# Altium PCB PCB3.PcbDoc (part 1 of 5) (continued)
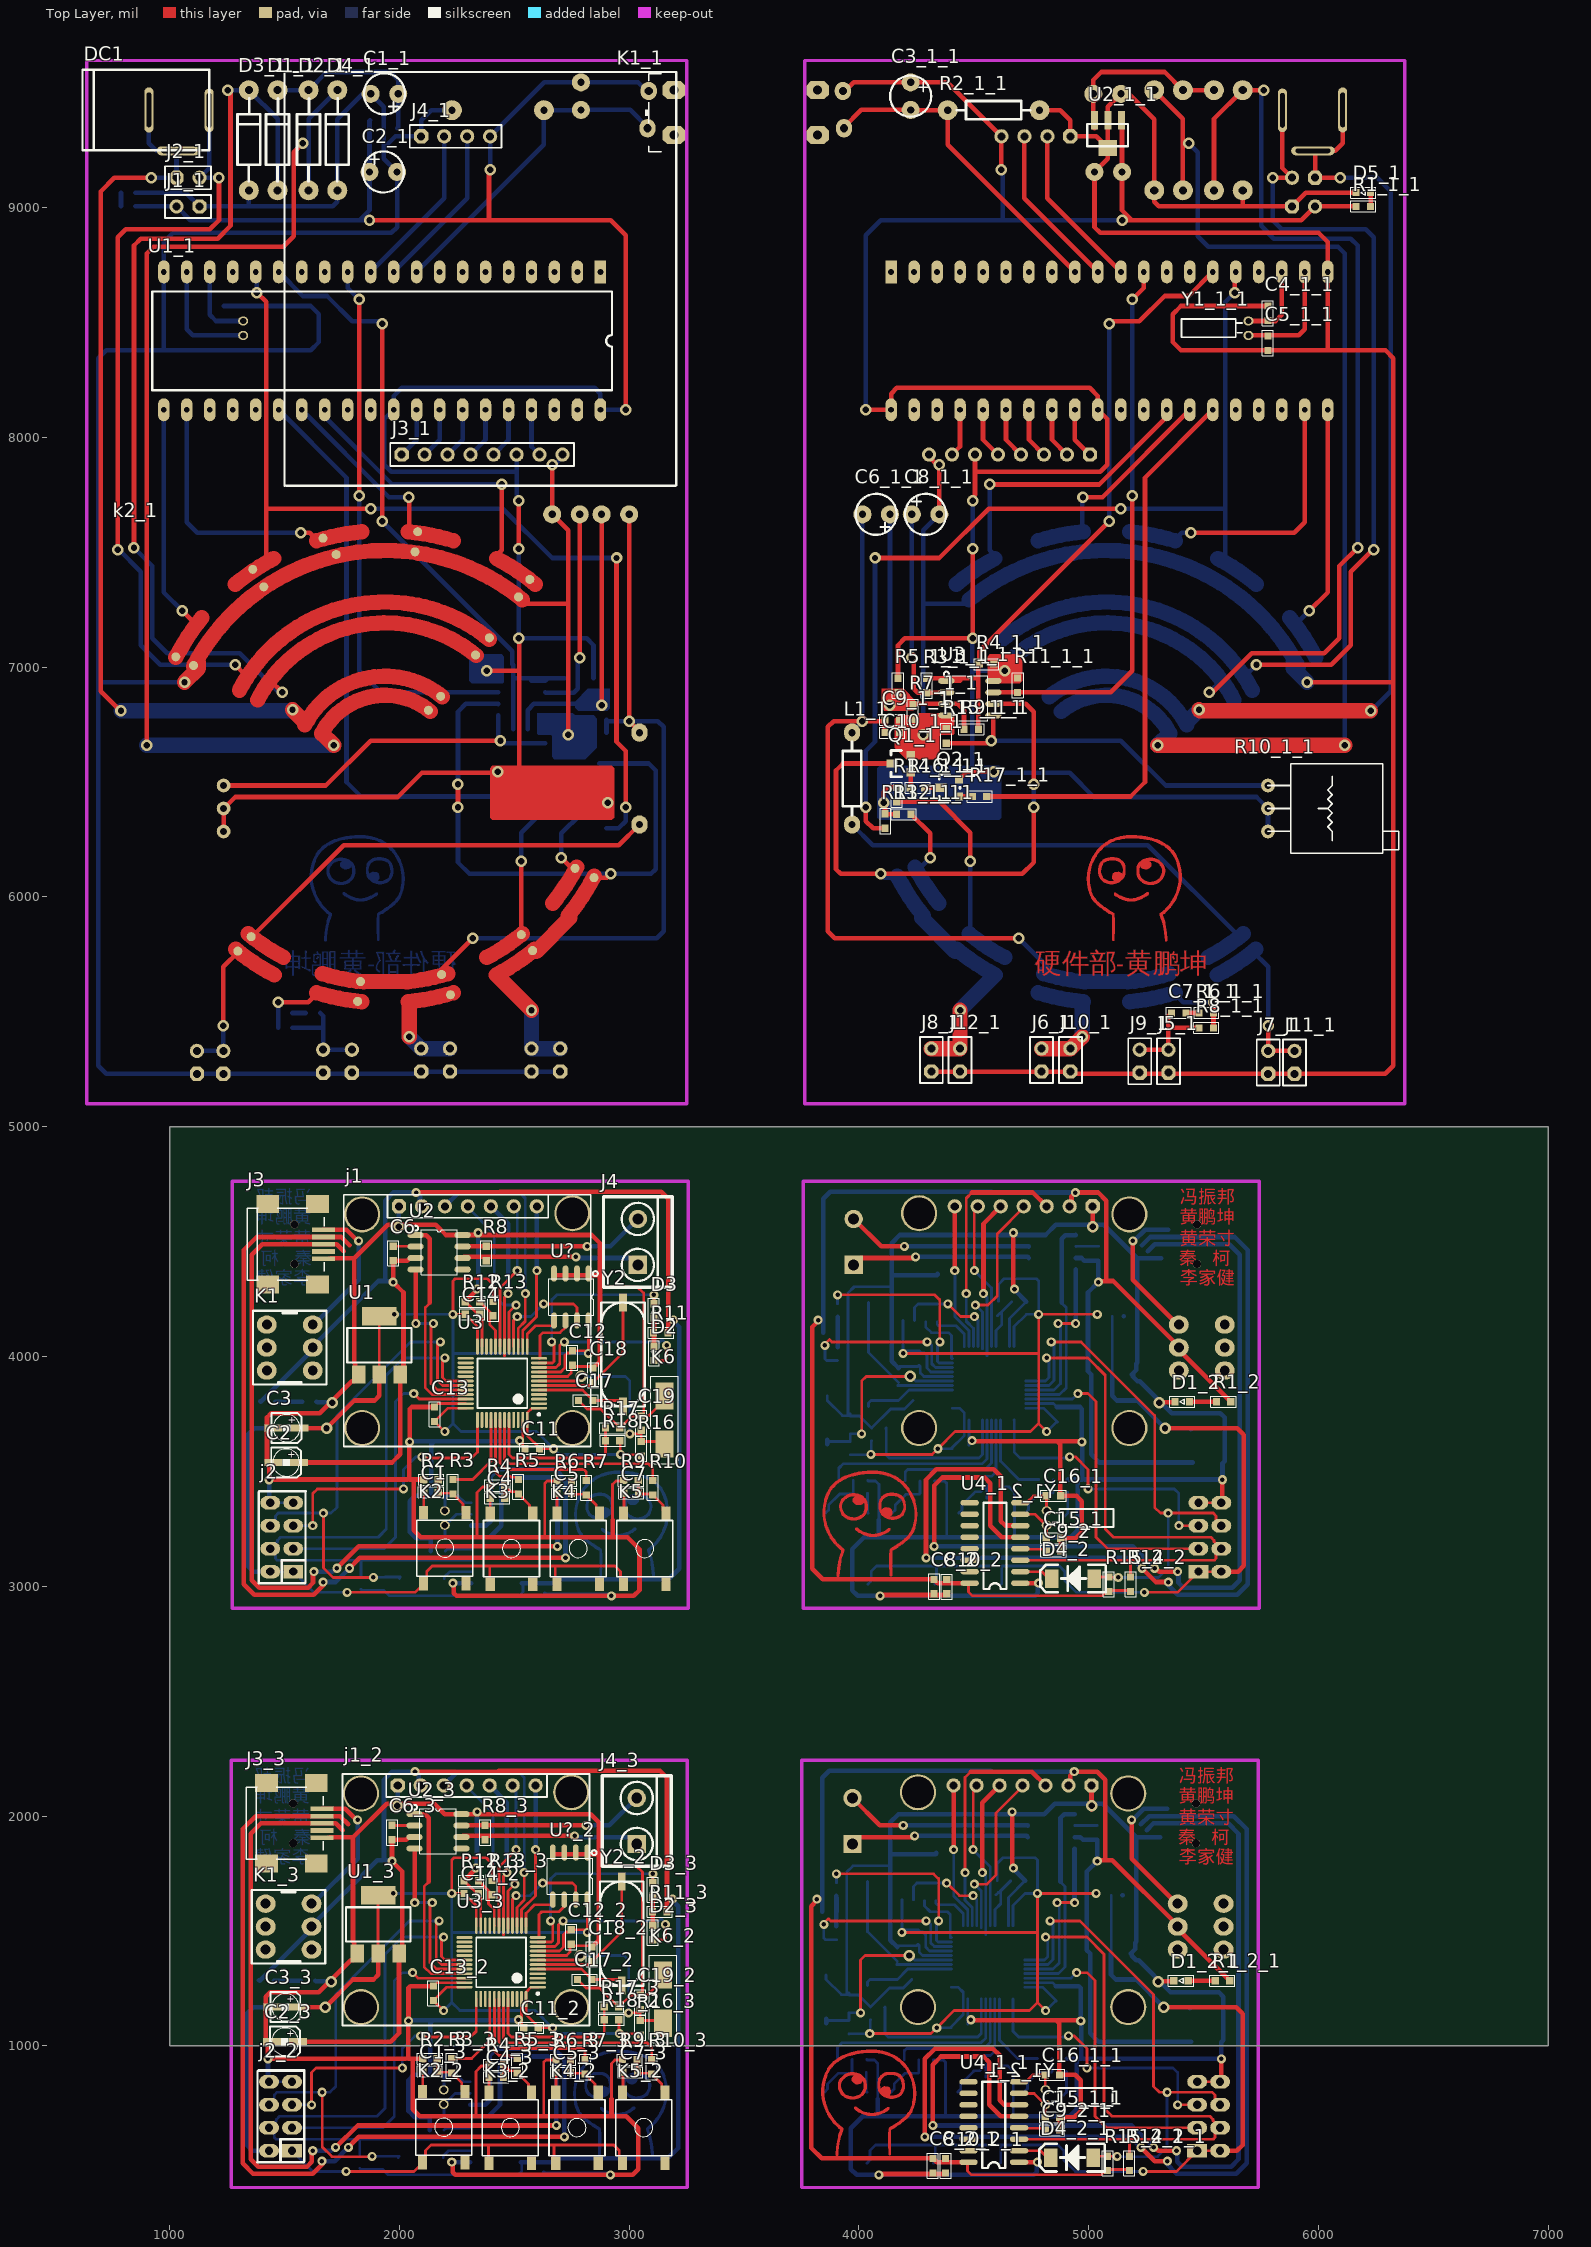
[diagram p0: Top Layer view]
## Components (designator, comment, footprint, x,y, rotation, side; value= is the part's Value field where it differs from the comment) (continued)
R4_2_1 "4.7k" R_0603 4583.42,918.5 r180 bottom (schematic designator R4)
R4_3 "4.7k" R_0603 2421.58,918.5 r0 top (schematic designator R4)
R5 "1k" R_0603 2518,3433.5 r270 top
R5_1 "100k" R_0603 2845,6920 r90 bottom (schematic designator R5)
R5_1_1 "100k" R_0603 4170,6920 r90 top (schematic designator R5)
R5_2 "1k" R_0603 4497,3433.5 r270 bottom (schematic designator R5)
R5_2_1 "1k" R_0603 4492,913.5 r270 bottom (schematic designator R5)
R5_3 "1k" R_0603 2513,913.5 r270 top (schematic designator R5)
R6 "4.7k" R_0603 2718,3458.5 r0 top
R6_1 "1k" R_0603 1503.5,5495 r180 bottom (schematic designator R6)
R6_1_1 "1k" R_0603 5511.5,5495 r0 top (schematic designator R6)
R6_2 "4.7k" R_0603 4297,3458.5 r180 bottom (schematic designator R6)
R6_2_1 "4.7k" R_0603 4292,938.5 r180 bottom (schematic designator R6)
R6_3 "4.7k" R_0603 2713,938.5 r0 top (schematic designator R6)
R7 "1k" R_0603 2813,3428.5 r270 top
R7_1 "100k" R_0603 2780,6805 r90 bottom (schematic designator R7)
R7_1_1 "100k" R_0603 4235,6805 r90 top (schematic designator R7)
R7_2 "1k" R_0603 4202,3428.5 r270 bottom (schematic designator R7)
R7_2_1 "1k" R_0603 4197,908.5 r270 bottom (schematic designator R7)
R7_3 "1k" R_0603 2808,908.5 r270 top (schematic designator R7)
R8 "120R" R_0603 2378,4448.5 r90 top
R8_1 "1K" R_0603 1503.5,5430 r180 bottom (schematic designator R8)
R8_1_1 "1K" R_0603 5511.5,5430 r0 top (schematic designator R8)
R8_2 "120R" R_0603 4637,4448.5 r90 bottom (schematic designator R8)
R8_2_1 "120R" R_0603 4632,1928.5 r90 bottom (schematic designator R8)
R8_3 "120R" R_0603 2373,1928.5 r90 top (schematic designator R8)
R9 "4.7k" R_0603 3008,3460 r0 top
R9_1 "100k" R_0603 2526.5,6730 r0 bottom (schematic designator R9)
R9_1_1 "100k" R_0603 4488.5,6730 r180 top (schematic designator R9)
R9_2 "4.7k" R_0603 4007,3460 r180 bottom (schematic designator R9)
R9_2_1 "4.7k" R_0603 4002,940 r180 bottom (schematic designator R9)
R9_3 "4.7k" R_0603 3003,940 r0 top (schematic designator R9)
R10 "1k" R_0603 3103,3428.5 r270 top
R10_1 "502" RES_V3 1235,6385 r90 bottom (schematic designator R10)
R10_1_1 "502" RES_V3 5780,6385 r90 top (schematic designator R10)
R10_2 "1k" R_0603 3912,3428.5 r270 bottom (schematic designator R10)
R10_2_1 "1k" R_0603 3907,908.5 r270 bottom (schematic designator R10)
R10_3 "1k" R_0603 3098,908.5 r270 top (schematic designator R10)
R11 "1K" R_0603 3138,4103.5 r0 top
R11_1 "10K" R_0603 2325,6921.5 r270 bottom (schematic designator R11)
R11_1_1 "10K" R_0603 4690,6921.5 r270 top (schematic designator R11)
R11_2 "1K" R_0603 3877,4103.5 r180 bottom (schematic designator R11)
R11_2_1 "1K" R_0603 3872,1583.5 r180 bottom (schematic designator R11)
R11_3 "1K" R_0603 3133,1583.5 r0 top (schematic designator R11)
R12 "10K" R_0603 2318,4238.5 r0 top
R12_1 "2k" R_0603 2820,6360 r180 bottom (schematic designator R12)
R12_1_1 "2k" R_0603 4195,6360 r0 top (schematic designator R12)
R12_2 "10K" R_0603 4697,4238.5 r180 bottom (schematic designator R12)
R12_2_1 "10K" R_0603 4692,1718.5 r180 bottom (schematic designator R12)
R12_3 "10K" R_0603 2313,1718.5 r0 top (schematic designator R12)
R13 "10K" R_0603 2408,4208.5 r90 top
R13_1 "10k" R_0603 2901.5,6330 r90 bottom (schematic designator R13)
R13_1_1 "10k" R_0603 4113.5,6330 r90 top (schematic designator R13)
R13_2 "10K" R_0603 4607,4208.5 r90 bottom (schematic designator R13)
R13_2_1 "10K" R_0603 4602,1688.5 r90 bottom (schematic designator R13)
R13_3 "10K" R_0603 2403,1688.5 r90 top (schematic designator R13)
R14 "10k" R_0603 1833,3008.5 r90 bottom
R14_1 "100" R_0603 2850,6445 r270 bottom (schematic designator R14)
R14_1_1 "100" R_0603 4165,6445 r270 top (schematic designator R14)
R14_2 "10k" R_0603 5182,3008.5 r90 top (schematic designator R14)
R14_2_1 "10k" R_0603 5177,488.5 r90 top (schematic designator R14)
R14_3 "10k" R_0603 1828,488.5 r90 bottom (schematic designator R14)
R15 "10k" R_0603 1928,3008.5 r90 bottom
R15_1 "5.6K" R_0603 2634.72,6700 r90 bottom (schematic designator R15)
R15_1_1 "5.6K" R_0603 4380.28,6700 r90 top (schematic designator R15)
R15_2 "10k" R_0603 5087,3008.5 r90 top (schematic designator R15)
R15_2_1 "10k" R_0603 5082,488.5 r90 top (schematic designator R15)
R15_3 "10k" R_0603 1923,488.5 r90 bottom (schematic designator R15)
R16 "10K" R_0603 3053,3598.5 r270 top
R16_1 "1K" R_0603 2760,6475 r180 bottom (schematic designator R16)
R16_1_1 "1K" R_0603 4255,6475 r0 top (schematic designator R16)
R16_2 "10K" R_0603 3962,3598.5 r270 bottom (schematic designator R16)
R16_2_1 "10K" R_0603 3957,1078.5 r270 bottom (schematic designator R16)
R16_3 "10K" R_0603 3048,1078.5 r270 top (schematic designator R16)
R17 "10K" R_0603 2928,3688.5 r180 top
R17_1 "1K" R_0603 2490,6437 r180 bottom (schematic designator R17)
R17_1_1 "1K" R_0603 4525,6437 r0 top (schematic designator R17)
R17_2 "10K" R_0603 4087,3688.5 r0 bottom (schematic designator R17)
R17_2_1 "10K" R_0603 4082,1168.5 r0 bottom (schematic designator R17)
R17_3 "10K" R_0603 2923,1168.5 r180 top (schematic designator R17)
R18 "10K" R_0603 2928,3633.5 r0 top
R18_1 "10K" R_0603 4087,3633.5 r180 bottom (schematic designator R18)
R18_1_1 "10K" R_0603 4082,1113.5 r180 bottom (schematic designator R18)
R18_2 "10K" R_0603 2923,1113.5 r0 top (schematic designator R18)
U1 "AMS1117" SOT-223 1913,4048.5 r0 top
U1_1 "STC89C52" DIP40 1925,8420 r270 top locked (schematic designator U1)
U1_1_1 "STC89C52" DIP40 5090,8420 r270 bottom locked (schematic designator U1)
U1_2 "AMS1117" SOT-223 5102,4048.5 r180 bottom (schematic designator U1)
U1_2_1 "AMS1117" SOT-223 5097,1528.5 r180 bottom (schematic designator U1)
U1_3 "AMS1117" SOT-223 1908,1528.5 r0 top (schematic designator U1)
U2 "TJA1050" SOP8 2173,4453.5 r0 top
U2_1 "78L05" SOT-89-3 1874,9357 r0 bottom (schematic designator U2)
U2_1_1 "78L05" SOT-89-3 5141,9357 r180 top (schematic designator U2)
U2_2 "TJA1050" SOP8 4842,4453.5 r180 bottom (schematic designator U2)
U2_2_1 "TJA1050" SOP8 4837,1933.5 r180 bottom (schematic designator U2)
U2_3 "TJA1050" SOP8 2168,1933.5 r0 top (schematic designator U2)
U3 "STM32F102CBT6" STM-LQFP48_N 2448,3883.5 r180 top locked
U3_1 "LM393" SOP8 2532.36,6865 r180 bottom (schematic designator U3)
U3_1_1 "LM393" SOP8 4482.64,6865 r0 top (schematic designator U3)
U3_2 "STM32F102CBT6" STM-LQFP48_N 4567,3883.5 r0 bottom locked (schematic designator U3)
U3_2_1 "STM32F102CBT6" STM-LQFP48_N 4562,1363.5 r0 bottom locked (schematic designator U3)
U3_3 "STM32F102CBT6" STM-LQFP48_N 2443,1363.5 r180 top locked (schematic designator U3)
U4 "CH340G" SOP16 2423,3188.5 r0 bottom
U4_1 "CH340G" SOP16 4592,3188.5 r180 top (schematic designator U4)
U4_1_1 "CH340G" SOP16 4587,668.5 r180 top (schematic designator U4)
U4_2 "CH340G" SOP16 2418,668.5 r0 bottom (schematic designator U4)
U? "AT24C02" SOP8 2748,4258.5 r270 top
U?_1 "AT24C02" SOP8 4267,4258.5 r270 bottom (schematic designator U?)
U?_1_1 "AT24C02" SOP8 4262,1738.5 r270 bottom (schematic designator U?)
U?_2 "AT24C02" SOP8 2743,1738.5 r270 top (schematic designator U?)
Y1 "XTAL_32.768KHZ" CRYS-3X8#1 2198,3297.01 r0 bottom value=12MHz
Y1_1 "XTAL_32.768KHZ" CRYS-3X8#2 1320,8475 r180 bottom value=12MHz (schematic designator Y1)
Y1_1_1 "XTAL_32.768KHZ" CRYS-3X8#2 5695,8475 r0 top value=12MHz (schematic designator Y1)
Y1_2 "XTAL_32.768KHZ" CRYS-3X8#1 4817,3297.01 r180 top value=12MHz (schematic designator Y1)
Y1_2_1 "XTAL_32.768KHZ" CRYS-3X8#1 4812,777.01 r180 top value=12MHz (schematic designator Y1)
Y1_3 "XTAL_32.768KHZ" CRYS-3X8#1 2193,777.01 r0 bottom value=12MHz (schematic designator Y1)
Y2 "XTAL_49US" XTAL_SMD 2973,4008.5 r270 top value=8MHz
Y2_1 "XTAL_49US" XTAL_SMD 4042,4008.5 r270 bottom value=8MHz (schematic designator Y2)
Y2_1_1 "XTAL_49US" XTAL_SMD 4037,1488.5 r270 bottom value=8MHz (schematic designator Y2)
Y2_2 "XTAL_49US" XTAL_SMD 2968,1488.5 r270 top value=8MHz (schematic designator Y2)

## Footprints (in the part's own frame and the unit in brackets; to place one, negate y for a bottom-side part, rotate by r counter-clockwise, add the part's x,y. Pads: shape width x height; smd on the part's side, far side on the other; paste and mask are expansions set on the pad)
AXIAL0.4#1 [mil]
  oval 80x70 hole 32: 1(-200,0) 2(200,0)
  silkscreen extent -160,-40 160,40
AXIAL0.4#2 [mil]
  round 86.61 hole 31.5: 1(-219,-6) 2(181,-6)
  silkscreen extent -179,-46 141,34, body extent -229,-58 195,41, height 118
C_0603 [mm]
  rect 0.8x0.8 smd: 1(-0.8,0) 2(0.8,0)
  silkscreen extent -1.38,-0.61 1.4,0.61, body extent -0.79,-0.38 0.81,0.42, height 0.5
CAP_1 [mm]
  round 2 hole 0.8: 1(-1.524,0) 2(1.524,0)
  silkscreen extent -2.27,-2.27 2.27,2.27, body extent -2.02,-1.95 1.98,2.05, height 7.31
COM2-2.54 [mil]
  oct 62x62 hole 35: 1(-50,0)
  round 62 hole 35: 2(50,0)
  silkscreen extent -100,-50 100,50, body extent -100,-50 100,50, height 336
COM4-2.54 [mil]
  oct 62x62 hole 35: 1(-150,0)
  round 62 hole 35: 2(-50,0) 3(50,0) 4(150,0)
  silkscreen extent -200,-50 200,50, body extent -200,-50 200,50, height 398
COM4X2-2.54 [mm]
  rect 1.5x2.2 hole 0.9: 1(-3.81,-1.27)
  oval 1.5x2.2 hole 0.9: 2(-3.81,1.27) 3(-1.27,-1.27) 4(-1.27,1.27) 5(1.27,-1.27) 6(1.27,1.27) 7(3.81,-1.27) 8(3.81,1.27)
  silkscreen extent -5.08,-2.63 5.07,2.54, body extent -5.13,-2.54 5.03,2.54, height 10.1
COM8-2.54 [mil]
  oct 62x62 hole 35: 1(-350,0)
  round 62 hole 35: 2(-250,0) 3(-150,0) 4(-50,0) 5(50,0) 6(150,0) 7(250,0) 8(350,0)
  silkscreen extent -400,-50 400,50, body extent -400,-50 400,50, height 398
CON_2PIN [mil]
  rect 80x80 hole 47.24: 1(100,0)
  round 80 hole 47.24: 2(-100,0)
  silkscreen extent -197,-150 197,150, body extent -190,-171 203,144, height 433
CRYS-3X8#1 [mm]
  oval 1.1x1 hole 0.7: 1(0,0.8) 2(0,-0.8)
  silkscreen extent -7.4,-1 -0.7,1, body extent -7.64,-1.44 1.24,1.41, height 1.47
CRYS-3X8#2 [mm]
  oval 1.1x1 hole 0.7: 1(0,-0.8) 2(0,0.8)
  silkscreen extent -7.4,-1 -0.7,1, body extent -7.64,-1.41 1.24,1.44, height 1
DC-005 [mm]
  oval 1x4.826 hole 0.5 slot 3.81 at 90 deg: 1(3.33,2.215)
  oval 1x4.978 hole 0.5 slot 3.81 at 90 deg: 2(-3.33,2.261)
  oval 4.826x1 hole 0.5 slot 3.81 at 0 deg: 3(-0.053,-2.261)
  silkscreen extent -10.67,-2.18 3.33,6.72, body extent -9.5,-2.06 3.6,6.94, height 10.75
DIP40 [mil]
  rect 100x50 hole 25: 1(-300,950)
  oval 100x50 hole 25: 2(-300,850) 3(-300,750) 4(-300,650) 5(-300,550) 6(-300,450) 7(-300,350) 8(-300,250) 9(-300,150) 10(-300,50) 11(-300,-50) 12(-300,-150) 13(-300,-250) 14(-300,-350) 15(-300,-450) 16(-300,-550) 17(-300,-650) 18(-300,-750) 19(-300,-850) 20(-300,-950) 21(300,-950) 22(300,-850) 23(300,-750) 24(300,-650) 25(300,-550) 26(300,-450) 27(300,-350) 28(300,-250) 29(300,-150) 30(300,-50) 31(300,50) 32(300,150) 33(300,250) 34(300,350) 35(300,450) 36(300,550) 37(300,650) 38(300,750) 39(300,850) 40(300,950)
  silkscreen extent -215,-1000 215,1000, body extent -302,-1029 308,1036, height 224
DO-1N4007 [mm]
  round 2.2 hole 0.9: 1(-6.35,0) 2(4.724,0)
  silkscreen extent -5.33,-1.27 3.81,1.27, body extent -6.35,-1.3 4.72,1.3, height 0.25
DO-214-A [mil]
  rect 60x80 smd: 1(-92.5,0) 2(92.5,0)
  silkscreen extent -143,-60 142,60, body extent -111,-52 105,58, height 90
LED_0603 [mm]
  rect 0.8x0.8 smd: 1(-0.8,0) 2(0.8,0)
  silkscreen extent -1.38,-0.6 1.39,0.61, body extent -0.8,-0.4 0.82,0.4, height 0.6
OLED_7 [mil]
  round 157.48 hole 137.8: 0(-380,-915) 0(-380,15) 0(535,-915) 0(535,20)
  oct 62x62 hole 35: 1(-220,50)
  round 62 hole 35: 2(-120,50) 3(-20,50) 4(80,50) 5(180,50) 6(280,50) 7(380,50)
  silkscreen extent -460,-995 615,100, body extent -265,0 435,100, height 118
R_0603 [mm]
  rect 0.8x0.8 smd: 1(-0.8,0) 2(0.8,0)
  silkscreen extent -1.38,-0.61 1.4,0.61, body extent -0.81,-0.42 0.83,0.43, height 0.46
RES_V3 [mil]
  round 60 hole 30: 4(-100,0) 5(0,0) 6(100,0)
  silkscreen extent -195,-570 195,0, body extent -187,-554 188,156, height 95
SMD-EC-F3 [mm]
  rect 2x0.8 smd: 1(0,0) 2(2.835,0)
  silkscreen extent -0.23,-1.65 3.07,1.65
SOP8 [mm]
  oval 1.8x0.635 smd: 1(-2.6,1.905) 2(-2.6,0.635) 3(-2.6,-0.635) 4(-2.6,-1.905) 5(2.6,-1.905) 6(2.6,-0.635) 7(2.6,0.635) 8(2.6,1.905)
  silkscreen extent -2.86,-2.5 2,2.94, body extent -3.07,-2.54 3.13,2.46, height 1.74
SOP16 [mil]
  oval 80x24 smd: 1(-110,175) 2(-110,125) 3(-110,75) 4(-110,25) 5(-110,-25) 6(-110,-75) 7(-110,-125) 8(-110,-175) 9(110,-175) 10(110,-125) 11(110,-75) 12(110,-25) 13(110,25) 14(110,75) 15(110,125) 16(110,175)
  silkscreen extent -50,-175 50,200, body extent -153,-200 159,202, height 71
SOT-23 [mil]
  rect 36x36 smd: 1(-37.5,-40) 2(37.5,-40)
  rect 36x50 smd: 3(0.5,40)
  silkscreen extent -58,-45 57,45, body extent -58,-50 61,48, height 42
SOT-89-3 [mil]
  rect 29.53x78.74 smd: 1(-2,-23) 2(57,-23) 3(116,-23)
  rect 80.71x70.87 smd: 2(58,98)
  silkscreen extent -30,-7 147,90, body extent -36,-39 153,124, height 10
SOT-223 [mil]
  rect 59x79 smd: 1(-90.55,-126.77) 2(0,-126.77) 3(90.55,-126.77)
  rect 150x79 smd: 2(-0.67,126.77)
  silkscreen extent -140,-75 140,75, body extent -126,-153 130,123, height 65
STM-LQFP48_N [mm] "QFP, 48-Leads, Body 7x7mm, Pitch 0.5mm, IPC Medium Density"
  oval 1.8x0.3 smd: 1(-4.05,2.75) 2(-4.05,2.25) 3(-4.05,1.75) 4(-4.05,1.25) 5(-4.05,0.75) 6(-4.05,0.25) 7(-4.05,-0.25) 8(-4.05,-0.75) 9(-4.05,-1.25) 10(-4.05,-1.75) 11(-4.05,-2.25) 12(-4.05,-2.75) 25(4.05,-2.75) 26(4.05,-2.25) 27(4.05,-1.75) 28(4.05,-1.25) 29(4.05,-0.75) 30(4.05,-0.25) 31(4.05,0.25) 32(4.05,0.75) 33(4.05,1.25) 34(4.05,1.75) 35(4.05,2.25) 36(4.05,2.75)
  oval 0.3x1.8 smd: 13(-2.75,-4.05) 14(-2.25,-4.05) 15(-1.75,-4.05) 16(-1.25,-4.05) 17(-0.75,-4.05) 18(-0.25,-4.05) 19(0.25,-4.05) 20(0.75,-4.05) 21(1.25,-4.05) 22(1.75,-4.05) 23(2.25,-4.05) 24(2.75,-4.05) 37(2.75,4.05) 38(2.25,4.05) 39(1.75,4.05) 40(1.25,4.05) 41(0.75,4.05) 42(0.25,4.05) 43(-0.25,4.05) 44(-0.75,4.05) 45(-1.25,4.05) 46(-1.75,4.05) 47(-2.25,4.05) 48(-2.75,4.05)
  silkscreen extent -4.18,-2.75 2.75,3.57, body extent -3.5,-3.5 3.5,3.5, height 1.6
SW6.2/6.2-SMD [mm]
  rect 1.5x1 smd: 1(-3.924,2.35) 1(3.924,2.35) 2(-3.924,-2.35) 2(3.924,-2.35)
  silkscreen extent -3.11,-3.1 3.09,3.1
SW-6 [mm]
  oval 2.2x2 hole 1.1: 1(-2.54,2.54) 2(-2.54,0) 3(-2.54,-2.54) 4(2.54,2.54) 5(2.54,0) 6(2.54,-2.54)
  silkscreen extent -4.06,-4.06 4.06,4.06, body extent -3.38,-3.41 3.62,3.59, height 13
SW-PB2 [mm]
  oct 2x2.5 hole 1: 0(-2.413,-1.524) 0(2.565,-1.524)
  oval 2.032x1.8 hole 0.9: 1(2.477,1.27) 2(-1.651,1.397)
  silkscreen extent -4.25,-0.13 4.38,1.65, body extent -4.03,-2.91 4.33,5.06, height 7.37
SW-PB4 [mm]
  rect 3x2 smd: 1(-2.667,0) 2(2.667,0)
  silkscreen extent -4.83,-1.52 4.83,1.52, body extent -4.94,-1.73 5.46,1.77, height 5
USB-MINI [mm]
  rect 0.508x2.54 smd: 1(1.6,-3.075) 2(0.8,-3.075) 3(0,-3.075) 4(-0.8,-3.075) 5(-1.6,-3.075)
  rect 2.032x2.5 smd: 6(-4.45,-2.425) 7(-4.45,3.075) 8(4.45,3.075) 9(4.45,-2.425)
  round 0.9 hole 0.9 unplated: 10(2.2,0.125) 11(-2.2,0.125)
  silkscreen extent -4,-3.17 4,5.33, body extent -5.38,-3.61 5.32,5.59, height 3.95
XTAL_SMD [mm]
  rect 2x0.85 smd: 1(-5.75,0) 2(5.75,0)
  silkscreen extent -5.75,-2.4 5.75,2.4, body extent -6.97,-2.56 6.93,2.44, height 4.5
xzkey [mm]
  round 1.524 hole 2.4: 0(-32.901,-10.944) 0(-32.881,31.029) 0(25.4,-10.922) 0(25.421,31.052)
  round 1.524 hole 0.762: 0(-32.881,31.029)
  round 1.524 hole 4.22: 0(-3.81,10.033)
  round 1 smd: 1(-26.873,22.22) 2(-24.912,21.266) 3(19.356,-2.193) 4(17.258,-1.156) 5(-18.368,31.891) 6(-17.149,29.957) 7(12.568,-10.254) 8(11.318,-8.487) 9(-10.605,35.335) 10(-9.148,33.534) 11(3.493,-15.133) 12(2.504,-12.894) 13(-0.139,36.051) 14(-0.43,33.825) 15(-6.775,-15.866) 16(-6.459,-13.678) 17(12.261,30.778) 18(11.016,28.844) 19(-20.012,-10.309) 20(-18.545,-8.708) 21(7.79,24.328) 22(6.263,22.42) 23(2.408,17.859) 24(1.053,16.313)
  Top Layer lines w1.7: -26.871,22.173 cw(c-3.746,10.071) -23.994,26.541 ; -24.922,21.153 cw(c-3.746,10.071) 11.415,28.546 ; -20.304,30.247 cw(c-3.746,10.071) -16.938,32.592 cw(c-3.746,10.071) -16.05,33.089 ; -20.253,-10.104 ccw(c-3.696,10.071) -15.999,-12.947 ; -19.836,18.542 cw(c-3.746,10.122) 7.774,24.16 ; -18.858,-8.404 ccw(c-3.696,10.071) -14.962,-11.007 ; -17.834,17.444 cw(c-3.746,10.071) -16.405,19.692 cw(c-3.746,10.071) 6.34,22.362 ; -12.607,14.708 cw(c-3.746,10.071) 2.597,17.801 ; -11.323,-14.905 ccw(c-3.746,10.071) -6.305,-15.903 ; -11.323,35.047 cw(c-3.746,10.071) -6.305,36.045 ; -10.746,13.734 cw(c-3.746,10.071) -10.728,13.769 cw(c-3.746,10.071) 1.265,16.178 ; -10.684,-12.8 ccw(c-3.746,10.071) -6.089,-13.714 ; -1.404,-13.714 ccw(c-3.746,10.071) -1.264,-13.7 ccw(c-3.746,10.071) 3.191,-12.8 ; -1.188,-15.903 ccw(c-3.746,10.071) 3.83,-14.905 ; -1.188,36.045 cw(c-3.746,10.071) 3.83,35.047 ; 7.52,-11.007 ccw(c-3.746,10.071) 11.318,-8.483 ccw(c-3.746,10.071) 11.415,-8.404 ; 8.557,-12.947 ccw(c-3.746,10.071) 12.627,-10.254 ccw(c-3.746,10.071) 12.723,-10.177 ccw(c-3.746,10.071) 12.811,-10.104 ; 8.608,33.089 cw(c-3.696,10.071) 12.862,30.247 ; 14.794,-5.01 ccw(c-3.746,10.071) 17.429,-1.011 ; 16.501,-6.398 ccw(c-3.746,10.071) 19.378,-2.031

## Part data
C1 C1_2 C1_2_1 C1_3 C4 C4_1 C4_1_1 C4_2 C4_2_1 C4_3 C5 C5_1 C5_1_1 C5_2 C5_2_1 C5_3 C6 C6_2 C6_2_1 C6_3 C7 C7_1 C7_1_1 C7_2 C7_2_1 C7_3 C8 C8_2 C8_2_1 C8_3 C9 C9_1 C9_1_1 C9_2 C9_2_1 C9_3 C10 C10_1 C10_1_1 C10_2 C10_2_1 C10_3 C11 C11_1 C11_1_1 C11_2 C12 C12_1 C12_1_1 C12_2 C13 C13_1 C13_1_1 C13_2 C14 C14_1 C14_1_1 C14_2 C15 C15_1 C15_1_1 C15_2 C16 C16_1 C16_1_1 C16_2 C17 C17_1 C17_1_1 C17_2 C18 C18_1 C18_1_1 C18_2 C19 C19_1 C19_1_1 C19_2: library part CAP
C1_1 C1_1_1 C2 C2_1 C2_1_1 C2_2 C2_2_1 C2_3 C3 C3_1 C3_1_1 C3_2 C3_2_1 C3_3 C6_1 C6_1_1 C8_1 C8_1_1: library part CAP+
D4 D4_2 D4_2_1 D4_3: "SMAJ5.0CA-E3/61 400W 5V", Manufacture 1 P/N=SMAJ5.0CA, PCB DECAL=DO-214
DC1 DC1_1: library part DC-005, PCB DECAL=DC-005
j1 j1_1 j1_1_1 j1_2: library part COM7-2.54
J1_1 J1_1_1 J2_1 J2_1_1 J5 J5_1 J6 J6_1 J7 J7_1 J8 J8_1 J9 J9_1 J10 J10_1 J11 J11_1 J12 J12_1: library part COM2-2.54
J3_1 J3_1_1: library part COM8-2.54
L1 L1_1: library part L
Q1 Q1_1: "NPN", Manufacturer #2=8050, PCB DECAL=SOT-23
Q2 Q2_1: "PNP"
R1 R1_1 R1_1_1 R1_2 R1_2_1 R1_3 R2 R2_1 R2_1_1 R2_2 R2_2_1 R2_3 R3 R3_1 R3_1_1 R3_2 R3_2_1 R3_3 R4 R4_1 R4_1_1 R4_2 R4_2_1 R4_3 R5 R5_1 R5_1_1 R5_2 R5_2_1 R5_3 R6 R6_1 R6_1_1 R6_2 R6_2_1 R6_3 R7 R7_1 R7_1_1 R7_2 R7_2_1 R7_3 R8 R8_1 R8_1_1 R8_2 R8_2_1 R8_3 R9 R9_1 R9_1_1 R9_2 R9_2_1 R9_3 R10 R10_2 R10_2_1 R10_3 R11 R11_1 R11_1_1 R11_2 R11_2_1 R11_3 R12 R12_1 R12_1_1 R12_2 R12_2_1 R12_3 R13 R13_1 R13_1_1 R13_2 R13_2_1 R13_3 R14 R14_1 R14_1_1 R14_2 R14_2_1 R14_3 R15 R15_1 R15_1_1 R15_2 R15_2_1 R15_3 R16 R16_1 R16_1_1 R16_2 R16_2_1 R16_3 R17 R17_1 R17_1_1 R17_2 R17_2_1 R17_3 R18 R18_1 R18_1_1 R18_2: library part RES
R10_1 R10_1_1: library part RES_V
U2_1 U2_1_1: library part LM78LXX
U3 U3_2 U3_2_1 U3_3: "ARM Cortex-M3 32-bit MCU, 128 KB Flash, 16 KB Internal RAM, 37 I/Os, 48-pin LQFP, -40 to 85 degC, Tray", I/Os (High Current)=37, Operating Frequency(F) (Processor speed) (MHz)=48, Supplier Part Number 1=497-8308-ND, Supply Voltage(Vcc) min (V)=2, A/D Converter="1x12-bit (10 Channel)", ComponentLink1Description="Manufacturer URL", ComponentLink1URL=http://www.st.com/web/en/home.html, ComponentLink2Description=Datasheet, ComponentLink2URL=http://www.st.com/st-web-ui/static/active/en/resource/technical/document/datasheet/CD00210831.pdf, ComponentLink3Description="Package Specification", ComponentLink3URL=http://www.st.com/st-web-ui/static/active/en/resource/technical/document/datasheet/DM00058181.pdf, Core="ARM Cortex-M3", DatasheetVersion="Rev. 5", FLASH Size (Prog) (kB)=128, Internal RAM Size (kB)=16, Mounting Technology="Surface Mount", PackageDescription="48-Pin Low Profile Quad Flat Package, 7 x 7 mm Body, 0.5 mm Pitch", PackageReference=LQFP48, PackageVersion="Rev. 6, 06/2013", Packing=Tray, PartNumber=STM32F102CBT6, Supplier 1=Digi-Key, Supplier 2=Farnell, Supplier 3=Newark, Supplier 4=Newark, Supplier 5=Mouser, Supplier Part Number 2=2333154, Supplier Part Number 3=99W9776, Supplier Part Number 4=25R9430, Supplier Part Number 5=511-STM32F102CBT6
U3_1 U3_1_1: library part LM358
D1 D1_2 D1_2_1 D1_3 D2 D2_2 D2_2_1 D2_3 D3 D3_2 D3_2_1 D3_3 D5 D5_1: PCB DECAL=LED_0603
J3 J3_2 J3_2_1 J3_3: PCB DECAL=USB-MINI
J4 J4_2 J4_2_1 J4_3: PCB DECAL=CON_2PIN
U2 U2_2 U2_2_1 U2_3 U? U?_1 U?_1_1 U?_2: PCB DECAL=SOP8
U4 U4_1 U4_1_1 U4_2: PCB DECAL=SOP16
Y1 Y1_1 Y1_1_1 Y1_2 Y1_2_1 Y1_3: PCB DECAL=CRYS-3X8
Y2 Y2_1 Y2_1_1 Y2_2: PCB DECAL=XTAL_SMD

## Via types
v1: diameter 39.37, hole 19.68, Top Layer to Bottom Layer, 192 vias
v2: diameter 50, hole 28, Top Layer to Bottom Layer, 116 vias

## Nets (pads, with @x,y where several pads share a name; then routed paths per layer and width w, separated by ;. In a path a pad name is that pad's centre, name@x,y a point inside that pad or via, vN(x,y) a via of type N, cw(c..) or ccw(c..) an arc to the next point about the centre after c; other vN are vias at no path point)
pads on no net: C1.1 C1.2 C1_1.1 C1_1.2 C1_1_1.1 C1_1_1.2 C1_2.1 C1_2.2 C1_2_1.1 C1_2_1.2 C1_3.1 C1_3.2 C2.1 C2.2 C2_1.1 C2_1.2 C2_1_1.1 C2_1_1.2 C2_2.1 C2_2.2 C2_2_1.1 C2_2_1.2 C2_3.1 C2_3.2 C3.1 C3.2 C3_1.1 C3_1.2 C3_1_1.1 C3_1_1.2 C3_2.1 C3_2.2 C3_2_1.1 C3_2_1.2 C3_3.1 C3_3.2 C4.1 C4.2 C4_1.1 C4_1.2 C4_1_1.1 C4_1_1.2 C4_2.1 C4_2.2 C4_2_1.1 C4_2_1.2 C4_3.1 C4_3.2 C5.1 C5.2 C5_1.1 C5_1.2 C5_1_1.1 C5_1_1.2 C5_2.1 C5_2.2 C5_2_1.1 C5_2_1.2 C5_3.1 C5_3.2 C6.1 C6.2 C6_1.1 C6_1.2 C6_1_1.1 C6_1_1.2 C6_2.1 C6_2.2 C6_2_1.1 C6_2_1.2 C6_3.1 C6_3.2 C7.1 C7.2 C7_1.1 C7_1.2 C7_1_1.1 C7_1_1.2 C7_2.1 C7_2.2 C7_2_1.1 C7_2_1.2 C7_3.1 C7_3.2 C8.1 C8.2 C8_1.1 C8_1.2 C8_1_1.1 C8_1_1.2 C8_2.1 C8_2.2 C8_2_1.1 C8_2_1.2 C8_3.1 C8_3.2 C9.1 C9.2 C9_1.1 C9_1.2 C9_1_1.1 C9_1_1.2 C9_2.1 C9_2.2 C9_2_1.1 C9_2_1.2 C9_3.1 C9_3.2 C10.1 C10.2 C10_1.1 C10_1.2 C10_1_1.1 C10_1_1.2 C10_2.1 C10_2.2 C10_2_1.1 C10_2_1.2 C10_3.1 C10_3.2 C11.1 C11.2 C11_1.1 C11_1.2 C11_1_1.1 C11_1_1.2 C11_2.1 C11_2.2 C12.1 C12.2 C12_1.1 C12_1.2 C12_1_1.1 C12_1_1.2 C12_2.1 C12_2.2 C13.1 C13.2 C13_1.1 C13_1.2 C13_1_1.1 C13_1_1.2 C13_2.1 C13_2.2 C14.1 C14.2 C14_1.1 C14_1.2 C14_1_1.1 C14_1_1.2 C14_2.1 C14_2.2 C15.1 C15.2 C15_1.1 C15_1.2 C15_1_1.1 C15_1_1.2 C15_2.1 C15_2.2 C16.1 C16.2 C16_1.1 C16_1.2 C16_1_1.1 C16_1_1.2 C16_2.1 C16_2.2 C17.1 C17.2 C17_1.1 C17_1.2 C17_1_1.1 C17_1_1.2 C17_2.1 C17_2.2 C18.1 C18.2 C18_1.1 C18_1.2 C18_1_1.1 C18_1_1.2 C18_2.1 C18_2.2 C19.1 C19.2 C19_1.1 C19_1.2 C19_1_1.1 C19_1_1.2 C19_2.1 C19_2.2 D1.1 D1.2 D1_1.1 D1_1.2 D1_1_1.1 D1_1_1.2 D1_2.1 D1_2.2 D1_2_1.1 D1_2_1.2 D1_3.1 D1_3.2 D2.1 D2.2 D2_1.1 D2_1.2 D2_1_1.1 D2_1_1.2 D2_2.1 D2_2.2 D2_2_1.1 D2_2_1.2 D2_3.1 D2_3.2 D3.1 D3.2 D3_1.1 D3_1.2 D3_1_1.1 D3_1_1.2 D3_2.1 D3_2.2 D3_2_1.1 D3_2_1.2 D3_3.1 D3_3.2 D4.1 D4.2 D4_1.1 D4_1.2 D4_1_1.1 D4_1_1.2 D4_2.1 D4_2.2 D4_2_1.1 D4_2_1.2 D4_3.1 D4_3.2 D5.1 D5.2 D5_1.1 D5_1.2 DC1.1 DC1.2 DC1.3 DC1_1.1 DC1_1.2 DC1_1.3 j1.0 j1.1 j1.2 j1.3 j1.4 j1.5 j1.6 j1.7 j1_1.0 J1_1.1 j1_1.1 J1_1.2 j1_1.2 j1_1.3 j1_1.4 j1_1.5 j1_1.6 j1_1.7 j1_1_1.0 J1_1_1.1 j1_1_1.1 J1_1_1.2 j1_1_1.2 j1_1_1.3 j1_1_1.4 j1_1_1.5 j1_1_1.6 j1_1_1.7 j1_2.0 j1_2.1 j1_2.2 j1_2.3 j1_2.4 j1_2.5 j1_2.6 j1_2.7 j2.1 j2.2 j2.3 j2.4 j2.5 j2.6 j2.7 j2.8 j2_1.1 J2_1.1 J2_1.2 j2_1.2 j2_1.3 j2_1.4 j2_1.5 j2_1.6 j2_1.7 j2_1.8 j2_1_1.1 J2_1_1.1 j2_1_1.2 J2_1_1.2 j2_1_1.3 j2_1_1.4 j2_1_1.5 j2_1_1.6 j2_1_1.7 j2_1_1.8 j2_2.1 j2_2.2 j2_2.3 j2_2.4 j2_2.5 j2_2.6 j2_2.7 j2_2.8 J3.1 J3.2 J3.3 J3.4 J3.5 J3.6 J3.7 J3.8 J3.9 J3.10 J3.11 J3_1.1 J3_1.2 J3_1.3 J3_1.4 J3_1.5 J3_1.6 J3_1.7 J3_1.8 J3_1_1.1 J3_1_1.2 J3_1_1.3 J3_1_1.4 J3_1_1.5 J3_1_1.6 J3_1_1.7 J3_1_1.8 J3_2.1 J3_2.2 J3_2.3 J3_2.4 J3_2.5 J3_2.6 J3_2.7 J3_2.8 J3_2.9 J3_2.10 J3_2.11 J3_2_1.1 J3_2_1.2 J3_2_1.3 J3_2_1.4 J3_2_1.5 J3_2_1.6 J3_2_1.7 J3_2_1.8 J3_2_1.9 J3_2_1.10 J3_2_1.11 J3_3.1 J3_3.2 J3_3.3 J3_3.4 J3_3.5 J3_3.6 J3_3.7 J3_3.8 J3_3.9 J3_3.10 J3_3.11 J4.1 J4.2 J4_1.1 J4_1.2 J4_1.3 J4_1.4 J4_1_1.1 J4_1_1.2 J4_1_1.3 J4_1_1.4 J4_2.1 J4_2.2 J4_2_1.1 J4_2_1.2 J4_3.1 J4_3.2 J5.1 J5.2 J5_1.1 J5_1.2 J6.1 J6.2 J6_1.1 J6_1.2 J7.1 J7.2 J7_1.1 J7_1.2 J8.1 J8.2 J8_1.1 J8_1.2 J9.1 J9.2 J9_1.1 J9_1.2 J10.1 J10.2 J10_1.1 J10_1.2 J11.1 J11.2 J11_1.1 J11_1.2 J12.1 J12.2 J12_1.1 J12_1.2 K1.1 K1.2 K1.3 K1.4 K1.5 K1.6 K1_1.0 K1_1.1 K1_1.2 K1_1_1.0 K1_1_1.1 K1_1_1.2 K1_2.1 K1_2.2 K1_2.3 K1_2.4 K1_2.5 K1_2.6 K1_2_1.1 K1_2_1.2 K1_2_1.3 K1_2_1.4 K1_2_1.5 K1_2_1.6 K1_3.1 K1_3.2 K1_3.3 K1_3.4 K1_3.5 K1_3.6 K2.1 K2.2 k2_1.0 K2_1.1 k2_1.1 K2_1.2 k2_1.2 k2_1.3 k2_1.4 k2_1.5 k2_1.6 k2_1.7 k2_1.8 k2_1.9 k2_1.10 k2_1.11 k2_1.12 k2_1.13 k2_1.14 k2_1.15 k2_1.16 k2_1.17 k2_1.18 k2_1.19 k2_1.20 k2_1.21 k2_1.22 k2_1.23 k2_1.24 k2_1_1.0 K2_1_1.1 k2_1_1.1 K2_1_1.2 k2_1_1.2 k2_1_1.3 k2_1_1.4 k2_1_1.5 k2_1_1.6 k2_1_1.7 k2_1_1.8 k2_1_1.9 k2_1_1.10 k2_1_1.11 k2_1_1.12 k2_1_1.13 k2_1_1.14 k2_1_1.15 k2_1_1.16 k2_1_1.17 k2_1_1.18 k2_1_1.19 k2_1_1.20 k2_1_1.21 k2_1_1.22 k2_1_1.23 k2_1_1.24 K2_2.1 K2_2.2 K3.1 K3.2 K3_1.1 K3_1.2 K3_1_1.1 K3_1_1.2 K3_2.1 K3_2.2 K4.1 K4.2 K4_1.1 K4_1.2 K4_1_1.1 K4_1_1.2 K4_2.1 K4_2.2 K5.1 K5.2 K5_1.1 K5_1.2 K5_1_1.1 K5_1_1.2 K5_2.1 K5_2.2 K6.1 K6.2 K6_1.1 K6_1.2 K6_1_1.1 K6_1_1.2 K6_2.1 K6_2.2 L1.1 L1.2 L1_1.1 L1_1.2 Q1.1 Q1.2 Q1.3 Q1_1.1 Q1_1.2 Q1_1.3 Q2.1 Q2.2 Q2.3 Q2_1.1 Q2_1.2 Q2_1.3 R1.1 R1.2 R1_1.1 R1_1.2 R1_1_1.1 R1_1_1.2 R1_2.1 R1_2.2 R1_2_1.1 R1_2_1.2 R1_3.1 R1_3.2 R2.1 R2.2 R2_1.1 R2_1.2 R2_1_1.1 R2_1_1.2 R2_2.1 R2_2.2 R2_2_1.1 R2_2_1.2 R2_3.1 R2_3.2 R3.1 R3.2 R3_1.1 R3_1.2 R3_1_1.1 R3_1_1.2 R3_2.1 R3_2.2 R3_2_1.1 R3_2_1.2 R3_3.1 R3_3.2 R4.1 R4.2 R4_1.1 R4_1.2 R4_1_1.1 R4_1_1.2 R4_2.1 R4_2.2 R4_2_1.1 R4_2_1.2 R4_3.1 R4_3.2 R5.1 R5.2 R5_1.1 R5_1.2 R5_1_1.1 R5_1_1.2 R5_2.1 R5_2.2 R5_2_1.1 R5_2_1.2 R5_3.1 R5_3.2 R6.1 R6.2 R6_1.1 R6_1.2 R6_1_1.1 R6_1_1.2 R6_2.1 R6_2.2 R6_2_1.1 R6_2_1.2 R6_3.1 R6_3.2 R7.1 R7.2 R7_1.1 R7_1.2 R7_1_1.1 R7_1_1.2 R7_2.1 R7_2.2 R7_2_1.1 R7_2_1.2 R7_3.1 R7_3.2 R8.1 R8.2 R8_1.1 R8_1.2 R8_1_1.1 R8_1_1.2 R8_2.1 R8_2.2 R8_2_1.1 R8_2_1.2 R8_3.1 R8_3.2 R9.1 R9.2 R9_1.1 R9_1.2 R9_1_1.1 R9_1_1.2 R9_2.1 R9_2.2 R9_2_1.1 R9_2_1.2 R9_3.1 R9_3.2 R10.1 R10.2 R10_1.4 R10_1.5 R10_1.6 R10_1_1.4 R10_1_1.5 R10_1_1.6 R10_2.1 R10_2.2 R10_2_1.1 R10_2_1.2 R10_3.1 R10_3.2 R11.1 R11.2 R11_1.1 R11_1.2 R11_1_1.1 R11_1_1.2 R11_2.1 R11_2.2 R11_2_1.1 R11_2_1.2 R11_3.1 R11_3.2 R12.1 R12.2 R12_1.1 R12_1.2 R12_1_1.1 R12_1_1.2 R12_2.1 R12_2.2 R12_2_1.1 R12_2_1.2 R12_3.1 R12_3.2 R13.1 R13.2 R13_1.1 R13_1.2 R13_1_1.1 R13_1_1.2 R13_2.1 R13_2.2 R13_2_1.1 R13_2_1.2 R13_3.1 R13_3.2 R14.1 R14.2 R14_1.1 R14_1.2 R14_1_1.1 R14_1_1.2 R14_2.1 R14_2.2 R14_2_1.1 R14_2_1.2 R14_3.1 R14_3.2 R15.1 R15.2 R15_1.1 R15_1.2 R15_1_1.1 R15_1_1.2 R15_2.1 R15_2.2 R15_2_1.1 R15_2_1.2 R15_3.1 R15_3.2 R16.1 R16.2 R16_1.1 R16_1.2 R16_1_1.1 R16_1_1.2 R16_2.1 R16_2.2 R16_2_1.1 R16_2_1.2 R16_3.1 R16_3.2 R17.1 R17.2 R17_1.1 R17_1.2 R17_1_1.1 R17_1_1.2 R17_2.1 R17_2.2 R17_2_1.1 R17_2_1.2 R17_3.1 R17_3.2 R18.1 R18.2 R18_1.1 R18_1.2 R18_1_1.1 R18_1_1.2 R18_2.1 R18_2.2 U1.1 U1.2 U1.3 U1_1.1 U1_1.2 U1_1.3 U1_1.4 U1_1.5 U1_1.6 U1_1.7 U1_1.8 U1_1.9 U1_1.10 U1_1.11 U1_1.12 U1_1.13 U1_1.14 U1_1.15 U1_1.16 U1_1.17 U1_1.18 U1_1.19 U1_1.20 U1_1.21 U1_1.22 U1_1.23 U1_1.24 U1_1.25 U1_1.26 U1_1.27 U1_1.28 U1_1.29 U1_1.30 U1_1.31 U1_1.32 U1_1.33 U1_1.34 U1_1.35 U1_1.36 U1_1.37 U1_1.38 U1_1.39 U1_1.40 U1_1_1.1 U1_1_1.2 U1_1_1.3 U1_1_1.4 U1_1_1.5 U1_1_1.6 U1_1_1.7 U1_1_1.8 U1_1_1.9 U1_1_1.10 U1_1_1.11 U1_1_1.12 U1_1_1.13 U1_1_1.14 U1_1_1.15 U1_1_1.16 U1_1_1.17 U1_1_1.18 U1_1_1.19 U1_1_1.20 U1_1_1.21 U1_1_1.22 U1_1_1.23 U1_1_1.24 U1_1_1.25 U1_1_1.26 U1_1_1.27 U1_1_1.28 U1_1_1.29 U1_1_1.30 U1_1_1.31 U1_1_1.32 U1_1_1.33 U1_1_1.34 U1_1_1.35 U1_1_1.36 U1_1_1.37 U1_1_1.38 U1_1_1.39 U1_1_1.40 U1_2.1 U1_2.2 U1_2.3 U1_2_1.1 U1_2_1.2 U1_2_1.3 U1_3.1 U1_3.2 U1_3.3 U2.1 U2.2 U2.3 U2.4 U2.5 U2.6 U2.7 U2.8 U2_1.1 U2_1.2 U2_1.3 U2_1_1.1 U2_1_1.2 U2_1_1.3 U2_2.1 U2_2.2 U2_2.3 U2_2.4 U2_2.5 U2_2.6 U2_2.7 U2_2.8 U2_2_1.1 U2_2_1.2 U2_2_1.3 U2_2_1.4 U2_2_1.5 U2_2_1.6 U2_2_1.7 U2_2_1.8 U2_3.1 U2_3.2 U2_3.3 U2_3.4 U2_3.5 U2_3.6 U2_3.7 U2_3.8 U3.1 U3.2 U3.3 U3.4 U3.5 U3.6 U3.7 U3.8 U3.9 U3.10 U3.11 U3.12 U3.13 U3.14 U3.15 U3.16 U3.17 U3.18 U3.19 U3.20 U3.21 U3.22 U3.23 U3.24 U3.25 U3.26 U3.27 U3.28 U3.29 U3.30 U3.31 U3.32 U3.33 U3.34 U3.35 U3.36 U3.37 U3.38 U3.39 U3.40 U3.41 U3.42 U3.43 U3.44 U3.45 U3.46 U3.47 U3.48 U3_1.1 U3_1.2 U3_1.3 U3_1.4 U3_1.5 U3_1.6 U3_1.7 U3_1.8 U3_1_1.1 U3_1_1.2 U3_1_1.3 U3_1_1.4 U3_1_1.5 U3_1_1.6 U3_1_1.7 U3_1_1.8 U3_2.1 U3_2.2 U3_2.3 U3_2.4 U3_2.5 U3_2.6 U3_2.7 U3_2.8 U3_2.9 U3_2.10 U3_2.11 U3_2.12 U3_2.13 U3_2.14 U3_2.15 U3_2.16 U3_2.17 U3_2.18 U3_2.19 U3_2.20 U3_2.21 U3_2.22 U3_2.23 U3_2.24 U3_2.25 U3_2.26 U3_2.27 U3_2.28 U3_2.29 U3_2.30 U3_2.31 U3_2.32 U3_2.33 U3_2.34 U3_2.35 U3_2.36 U3_2.37 U3_2.38 U3_2.39 U3_2.40 U3_2.41 U3_2.42 U3_2.43 U3_2.44 U3_2.45 U3_2.46 U3_2.47 U3_2.48 U3_2_1.1 U3_2_1.2 U3_2_1.3 U3_2_1.4 U3_2_1.5 U3_2_1.6 U3_2_1.7 U3_2_1.8 U3_2_1.9 U3_2_1.10 U3_2_1.11 U3_2_1.12 U3_2_1.13 U3_2_1.14 U3_2_1.15 U3_2_1.16 U3_2_1.17 U3_2_1.18 U3_2_1.19 U3_2_1.20 U3_2_1.21 U3_2_1.22 U3_2_1.23 U3_2_1.24 U3_2_1.25 U3_2_1.26 U3_2_1.27 U3_2_1.28 U3_2_1.29 U3_2_1.30 U3_2_1.31 U3_2_1.32 U3_2_1.33 U3_2_1.34 U3_2_1.35 U3_2_1.36 U3_2_1.37 U3_2_1.38 U3_2_1.39 U3_2_1.40 U3_2_1.41 U3_2_1.42 U3_2_1.43 U3_2_1.44 U3_2_1.45 U3_2_1.46 U3_2_1.47 U3_2_1.48 U3_3.1 U3_3.2 U3_3.3 U3_3.4 U3_3.5 U3_3.6 U3_3.7 U3_3.8 U3_3.9 U3_3.10 U3_3.11 U3_3.12 U3_3.13 U3_3.14 U3_3.15 U3_3.16 U3_3.17 U3_3.18 U3_3.19 U3_3.20 U3_3.21 U3_3.22 U3_3.23 U3_3.24 U3_3.25 U3_3.26 U3_3.27 U3_3.28 U3_3.29 U3_3.30 U3_3.31 U3_3.32 U3_3.33 U3_3.34 U3_3.35 U3_3.36 U3_3.37 U3_3.38 U3_3.39 U3_3.40 U3_3.41 U3_3.42 U3_3.43 U3_3.44 U3_3.45 U3_3.46 U3_3.47 U3_3.48 U4.1 U4.2 U4.3 U4.4 U4.5 U4.6 U4.7 U4.8 U4.9 U4.10 U4.11 U4.12 U4.13 U4.14 U4.15 U4.16 U4_1.1 U4_1.2 U4_1.3 U4_1.4 U4_1.5 U4_1.6 U4_1.7 U4_1.8 U4_1.9 U4_1.10 U4_1.11 U4_1.12 U4_1.13 U4_1.14 U4_1.15 U4_1.16 U4_1_1.1 U4_1_1.2 U4_1_1.3 U4_1_1.4 U4_1_1.5 U4_1_1.6 U4_1_1.7 U4_1_1.8 U4_1_1.9 U4_1_1.10 U4_1_1.11 U4_1_1.12 U4_1_1.13 U4_1_1.14 U4_1_1.15 U4_1_1.16 U4_2.1 U4_2.2 U4_2.3 U4_2.4 U4_2.5 U4_2.6 U4_2.7 U4_2.8 U4_2.9 U4_2.10 U4_2.11 U4_2.12 U4_2.13 U4_2.14 U4_2.15 U4_2.16 U?.1 U?.2 U?.3 U?.4 U?.5 U?.6 U?.7 U?.8 U?_1.1 U?_1.2 U?_1.3 U?_1.4 U?_1.5 U?_1.6 U?_1.7 U?_1.8 U?_1_1.1 U?_1_1.2 U?_1_1.3 U?_1_1.4 U?_1_1.5 U?_1_1.6 U?_1_1.7 U?_1_1.8 U?_2.1 U?_2.2 U?_2.3 U?_2.4 U?_2.5 U?_2.6 U?_2.7 U?_2.8 Y1.1 Y1.2 Y1_1.1 Y1_1.2 Y1_1_1.1 Y1_1_1.2 Y1_2.1 Y1_2.2 Y1_2_1.1 Y1_2_1.2 Y1_3.1 Y1_3.2 Y2.1 Y2.2 Y2_1.1 Y2_1.2 Y2_1_1.1 Y2_1_1.2 Y2_2.1 Y2_2.2